# Altium PCB PCB-Tester-Board-V1.PcbDoc (part 5 of 7) (continued)
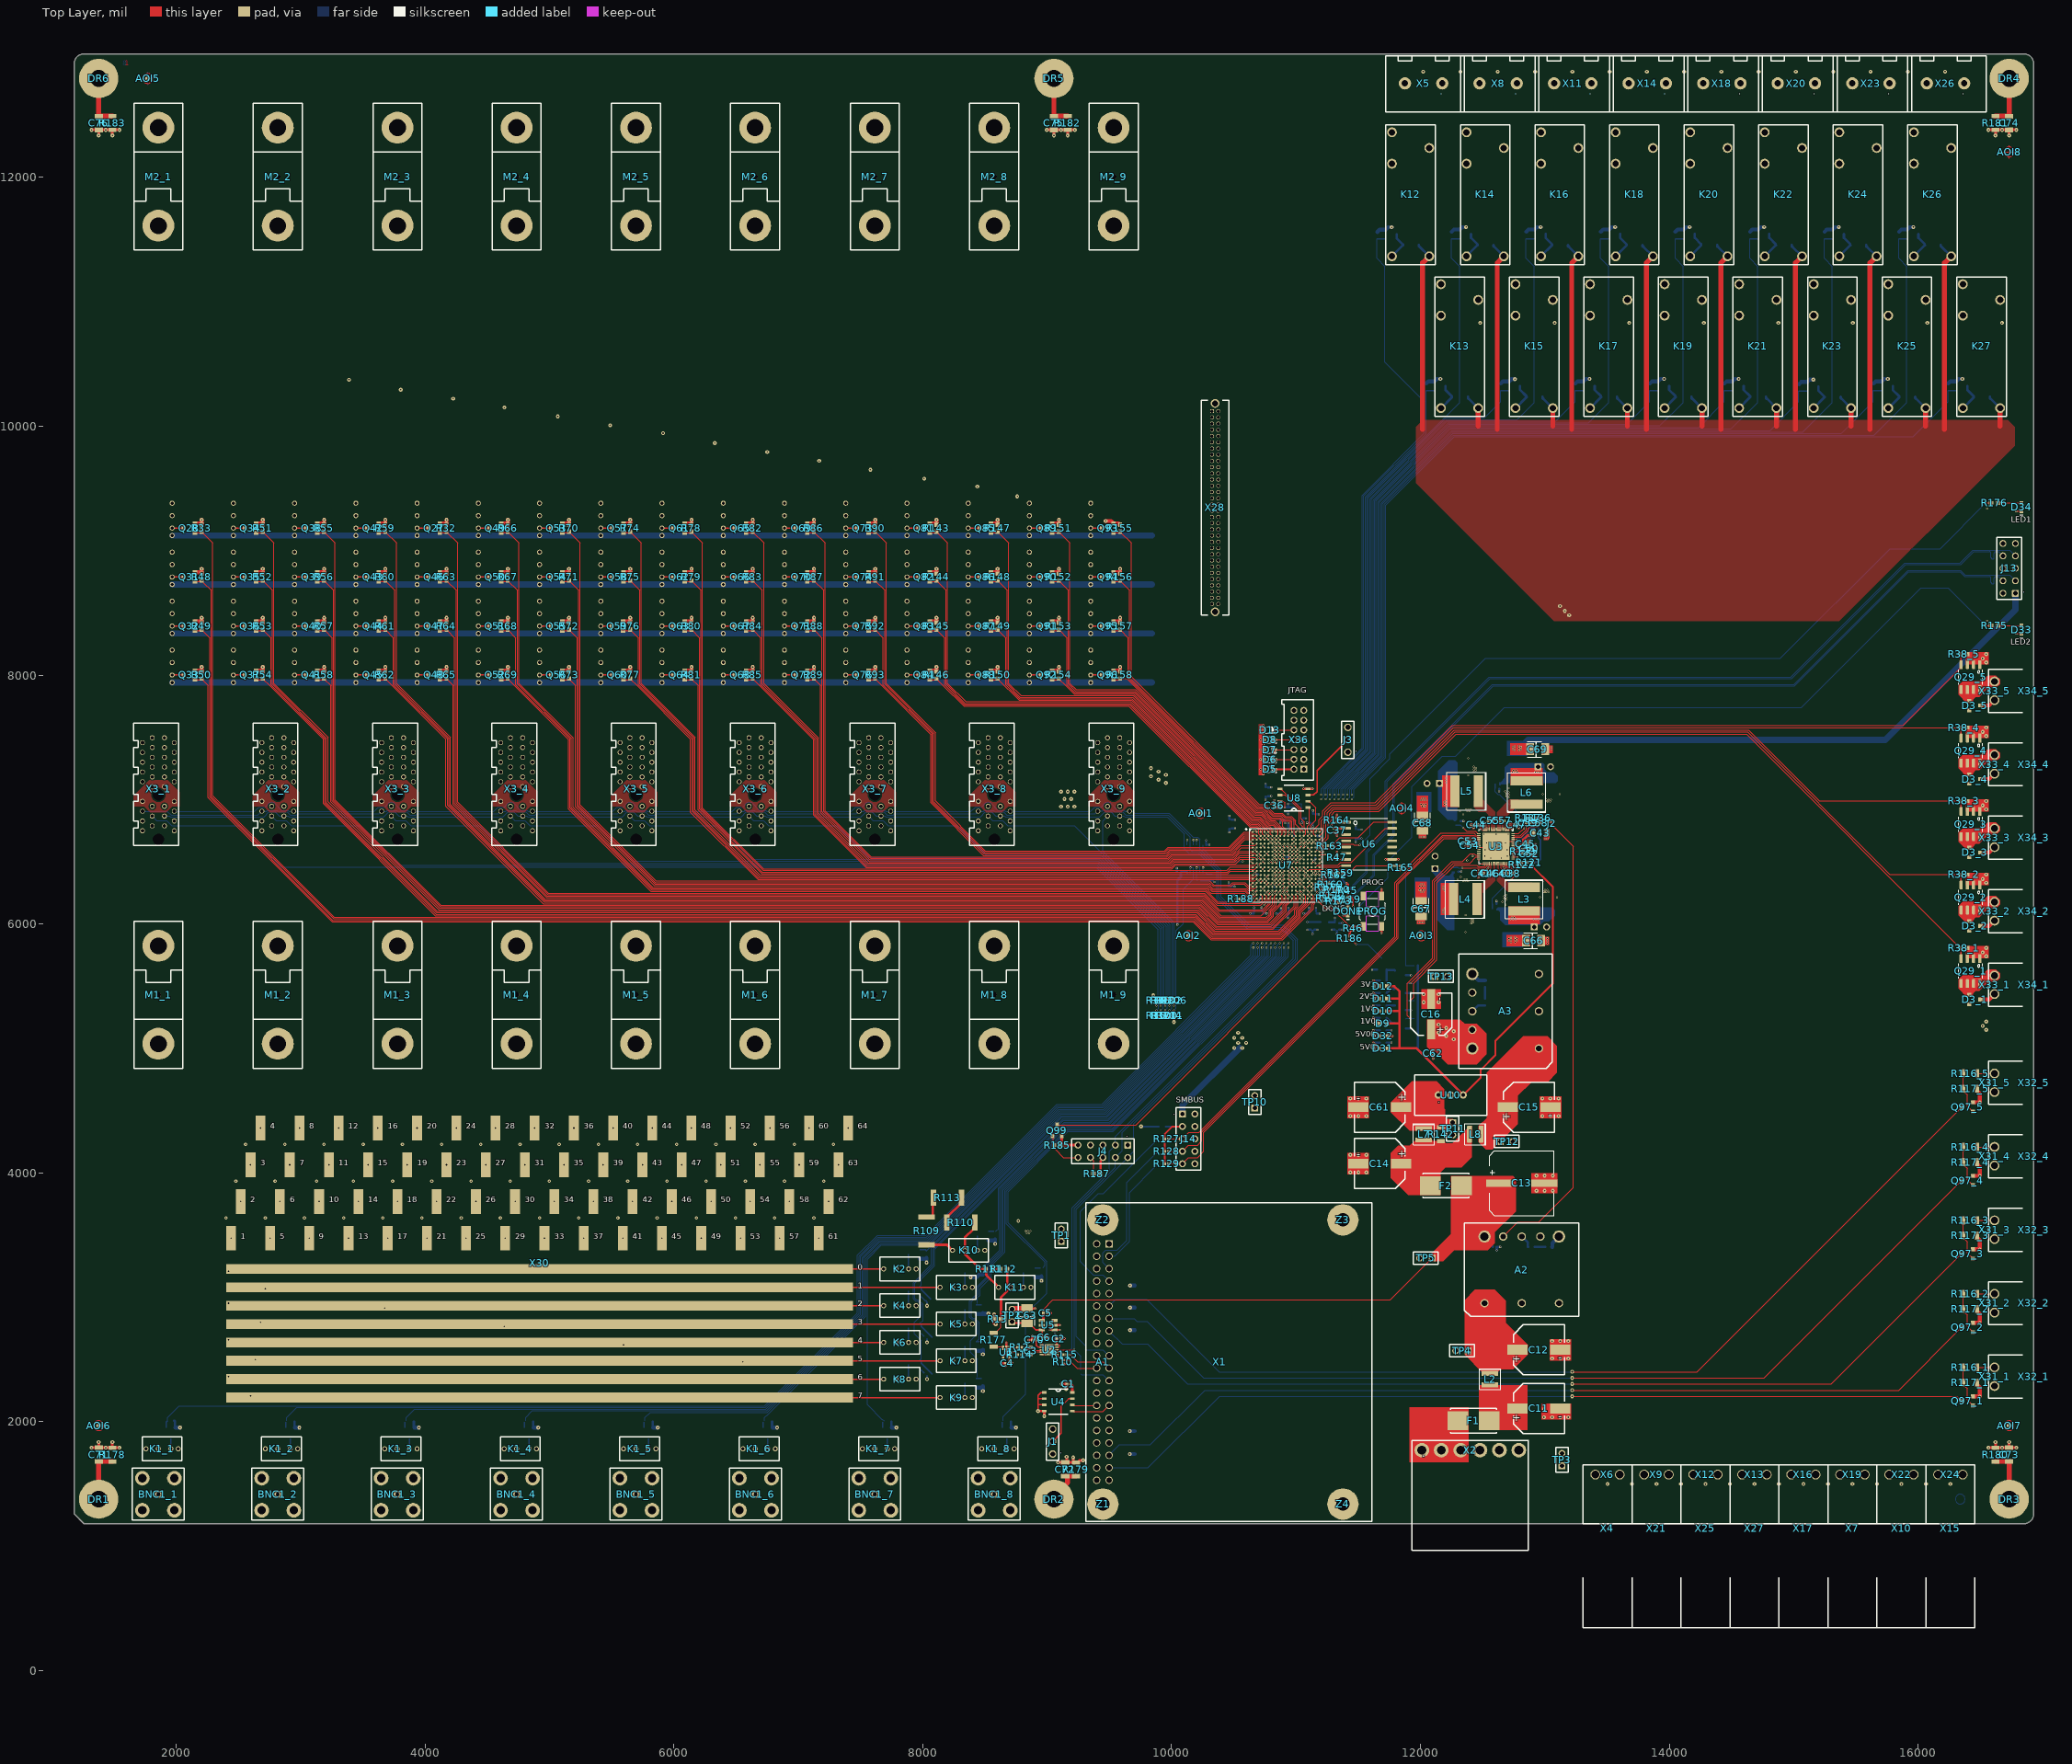
[diagram p0: Top Layer view]
## Nets (pads, with @x,y where several pads share a name; then routed paths per layer and width w, separated by ;. In a path a pad name is that pad's centre, name@x,y a point inside that pad or via, vN(x,y) a via of type N, cw(c..) or ccw(c..) an arc to the next point about the centre after c; other vN are vias at no path point) (continued)
  Bottom Layer w18.5: v1(11612.93,5634.12) Q98.2@11652.23,5634.12 ; R168.1@11727.03,5145.21 v1(11766.33,5145.21) ; R167.1@11727.56,5045.74 v1(11766.86,5045.74) ; Q30.2@11885.83,5162.33 v1(11925.13,5162.33) ; Q78.2@11885.83,5307.35 v1(11925.13,5307.35) ; Q79.2@11885.83,5446.59 v1(11925.13,5446.59) ; Q80.2@11885.83,5588.32 v1(11925.13,5588.32)
  Bottom Layer w20: R1_1.1@1985.33,2007.32 1985.61,2007.32 1991.36,2001.57 1991.36,1956.69 Q77_1.2@1995.18,1952.87 ; Q77_2.2@2950.87,1956.69 R1_2.1@2950.87,2001.57 ; Q77_3.2@3910.51,1956.69 R1_3.1@3910.51,2001.57 ; Q77_4.2@4870.16,1956.69 R1_4.1@4870.16,2001.57 ; Q77_5.2@5829.81,1956.69 R1_5.1@5829.81,2001.57 ; Q77_6.2@6789.45,1956.69 R1_6.1@6789.45,2001.57 ; Q77_7.2@7749.1,1956.69 R1_7.1@7749.1,2001.57 ; Q77_8.2@8708.74,1956.69 R1_8.1@8708.74,2001.57 ; v1(8851.38,2657.48) C64.2@8881.89,2657.48 v1(8881.89,2687.99) ; U9.1@8958.66,2615.16 8961.61,2612.2 v1(8992.13,2612.2) ; v1(9110.24,2696.85) 9116.18,2690.91 9116.18,2667.82 C65.2@9116.68,2667.32 v1(9139.76,2667.32) ; C77.2@10043.31,6421.26 v1(10043.31,6448.82) ; C449.2@11173.23,6708.66 11174.06,6707.83 11189.8,6707.83 v1(11204.72,6692.91) ; v1(12614.17,3377.95) C39.2@12614.17,3405.51 v1(12641.69,3405.51)
  Bottom Layer w31.5: Q77_1.2@1995.18,1952.87 v2(2031.92,1952.87) ; Q77_2.2@2954.82,1952.87 v2(2991.56,1952.87) ; Q77_3.2@3914.47,1952.87 v2(3951.21,1952.87) ; Q77_4.2@4874.11,1952.87 v2(4910.85,1952.87) ; Q77_5.2@5833.76,1952.87 v2(5870.5,1952.87) ; Q77_6.2@6793.41,1952.87 v2(6830.15,1952.87) ; Q77_7.2@7753.05,1952.87 v2(7789.79,1952.87) ; Q1.2@7977.56,3308.27 R2.1@8021.65,3308.27 ; v2(8031.5,3280.38) R2.1@8031.5,3317.13 ; v2(8385.62,3160.63) Q2.2@8430.31,3160.63 ; Q8.2@8430.31,2274.8 8474.41,2274.8 8482.28,2282.68 R9.1@8484.25,2282.68 ; Q6.2@8430.31,2570.08 R7.1@8474.41,2570.08 ; Q4.2@8430.31,2865.35 8505.96,2865.35 ; Q2.2@8431.68,3160.63 8432.28,3160.63 8432.28,3161.23 8455.31,3184.25 8485.62,3184.25 R3.1@8485.62,3186.22 ; v2(8484.25,2246.92) R9.1@8484.25,2282.68 ; R9.1@8484.25,2284.65 R9.1@8484.25,2282.68 ; v2(8484.25,2542.2) R7.1@8484.25,2578.94 ; R5.1@8484.25,2875.2 8490.27,2869.18 v2(8528.79,2869.18) ; Q9.2@8528.74,3457.48 Q9.2@8530.31,3457.48 R14.1@8572.83,3457.48 ; v2(8582.68,3429.6) R14.1@8582.68,3466.34 ; Q77_8.2@8712.7,1952.87 v2(8749.44,1952.87) ; Q10.2@8900.71,3160.63 R15.1@8944.8,3160.63 ; v2(8954.65,3132.75) R15.1@8954.65,3169.49 ; R17.1@11654.77,11562.25 11672.49,11579.97 Q12.2@11719.24,11579.97 ; Q12.2@11721.21,11581.04 11739.66,11599.49 v2(11769.3,11599.49) ; R18.1@12046.97,10343.29 12064.68,10361.01 Q13.2@12111.44,10361.01 ; Q13.2@12113.4,10362.08 12131.85,10380.53 v2(12161.49,10380.53) ; R19.1@12252.48,11563.76 12270.19,11581.48 Q14.2@12316.95,11581.48 12318.92,11581.48 12318.92,11582.55 12337.37,11601 v2(12367,11601) ; A3.4@12417.32,5598.43 12468.5,5547.24 R42.1@12519.68,5547.24 ; R20.1@12646.18,10343.29 12663.9,10361.01 Q15.2@12710.65,10361.01 ; Q15.2@12712.62,10359.94 12731.07,10378.39 v2(12760.7,10378.39) ; R21.1@12851.69,11563.76 12869.41,11581.48 Q16.2@12916.16,11581.48 ; Q16.2@12918.13,11582.55 12936.58,11601 v2(12966.21,11601) ; R40.1@13059.06,3405.51 13061.02,3405.51 13061.02,3435.04 A2.4@13114.17,3488.19 ; R22.1@13245.39,10343.29 13263.11,10361.01 Q17.2@13309.86,10361.01 ; Q17.2@13311.83,10362.08 13330.28,10380.53 v2(13359.91,10380.53) ; R23.1@13450.9,11563.76 13468.62,11581.48 Q18.2@13515.37,11581.48 ; Q18.2@13517.34,11582.55 13535.79,11601 v2(13565.43,11601) ; R24.1@13844.6,10343.29 13862.32,10361.01 Q19.2@13909.07,10361.01 ; Q19.2@13911.04,10362.08 13929.49,10380.53 v2(13959.13,10380.53) ; R25.1@14050.12,11563.76 14067.83,11581.48 Q20.2@14114.59,11581.48 ; Q20.2@14116.55,11582.55 14135,11601 v2(14164.64,11601) ; R26.1@14443.82,10343.29 14461.53,10361.01 Q21.2@14508.29,10361.01 ; Q21.2@14510.25,10362.08 14528.7,10380.53 v2(14558.34,10380.53) ; R27.1@14649.33,11563.76 14667.04,11581.48 Q22.2@14713.8,11581.48 ; Q22.2@14715.77,11582.55 14734.22,11601 v2(14763.85,11601) ; R28.1@15043.03,10338.09 15060.75,10355.8 Q23.2@15107.5,10355.8 ; Q23.2@15109.47,10356.88 15127.92,10375.33 v2(15157.55,10375.33) ; R29.1@15248.54,11563.76 15266.26,11581.48 Q24.2@15313.01,11581.48 ; Q24.2@15314.98,11582.55 15333.43,11601 v2(15363.06,11601) ; R30.1@15642.24,10343.29 15659.96,10361.01 Q25.2@15706.71,10361.01 ; Q25.2@15708.68,10362.08 15727.13,10380.53 v2(15756.76,10380.53) ; R31.1@15847.75,11563.76 15865.47,11581.48 Q26.2@15912.22,11581.48 ; Q26.2@15914.19,11582.55 15932.64,11601 v2(15962.28,11601) ; R16.1@16241.45,10343.29 16259.17,10361.01 Q11.2@16305.92,10361.01 ; Q11.2@16307.89,10362.08 16326.34,10380.53 v2(16355.98,10380.53)
  other v1: 8992.13,2545.28 9039.37,2545.28 9015.75,2578.74 9039.37,2612.2 13021.72,5846.46 13021.72,5865.46 13021.72,5884.46 12364,5936 12408.43,6004.09 11986.7,6011.22 12005.7,6011.22 12024.7,6011.22 12424.43,6014.09 12408.43,6023.09 12424.43,6033.09 12408.43,6042.09 12364.47,6072 12685,6155 12660,6179 11248.03,6185.04 12688.69,6194.96 12672.69,6203.96 12688.69,6213.96 12961.69,6214.43 13097.69,6213.96 12672.69,6222.96 12688.69,6232.96 12992.53,6258.39 13011.53,6258.39 13030.53,6258.39 13001.53,6274.39 13020.53,6274.39 12345,6345 12364,6345 12383,6345 12300,6354 12354,6361 12373,6361 12324,6378 12471,6378 12766,6403 12765,6423 12472,6433 12744.75,6493.11 12784,6504 12376,6511.81 12928.15,6530.46 12565,6530.51 12650,6530.51 12419.54,6546.47 12518.27,6546.47 12698.27,6546.47 12928.15,6562.8 12909.5,6584.6 12519.68,6597.44 12696.85,6597.44 12928.15,6606.39 12928.15,6639.88 12531.54,6650.59 12683.46,6650.59 12860.24,6667.25 12878.94,6667.25 13002,6686 13021,6686 11998,6700 12017,6700 12036,6700 12510,6722 12608.27,6722 12706.54,6722 12427,6776 12791.22,6776 12409,6798 12809.22,6798 12907.48,6814.06 12907.48,6834 12907.48,6853.43 12344,6880 12318.9,6906.31 12377.16,6906.31 12396.16,6906.31 12367.16,6922.31 12386.16,6922.31 12405.16,6922.31 13022.71,6983.08 13041.71,6983.08 13012.71,6999.08 13031.71,6999.08 13050.71,6999.08 12709.83,7018.99 12693.83,7027.99 12709.83,7037.99 13119.17,7043.04 12983.17,7043.51 12693.83,7046.99 12709.83,7056.99 12682,7064.66 12709.83,7092.33 12385.14,7195.65 10736.22,7204.72 12429.57,7225.09 12445.57,7235.09 10716.54,7244.09 12429.57,7244.09 12445.57,7254.09 12429.57,7263.09 10736.22,7283.46 10716.54,7322.83 12385.61,7331.65 10736.22,7362.2 10716.54,7401.57 13052.72,7404.46 13052.72,7423.46 10736.22,7440.94 10716.54,7480.31 10736.22,7519.69 10716.54,7559.06 10736.22,7598.43 16555.12,8437.01 16555.12,9338.58
  other v2: 13504.16,1499.59 13701.01,1499.59 13897.86,1499.59 14094.71,1499.59 14291.56,1499.59 14488.41,1499.59 14685.26,1499.59 14882.11,1499.59 15078.96,1499.59 15275.81,1499.59 15472.66,1499.59 15669.51,1499.59 15866.36,1499.59 16063.21,1499.59 16260.06,1499.59 12994,2036 13059,2036 13124,2036 13189.03,2036 12994,2101 13059,2508.44 13124,2508.44 13189.03,2508.44 13059,2649.04 13124,2649.04 13189.03,2649.04 12933.98,3856.35 12998.98,3856.35 13064.02,3856.35 12933.98,3978.3 12998.98,3978.3 13064.02,3978.3 11436.95,4004.5 11501.98,4004.5 11566.98,4004.5 11436.95,4145.1 11501.98,4145.1 11566.98,4145.1 11436.95,4457.26 11501.98,4457.26 11566.98,4457.26 12980.26,4457.26 13045.26,4457.26 13110.29,4457.26 11436.95,4597.86 11501.98,4597.86 11566.98,4597.86 12980.26,4597.86 13045.26,4597.86 13110.29,4597.86 16547.24,5149.61 16519.69,5181.1 16547.24,5216.54 12026,5370.98 12147.23,5370.98 12026,5435.98 12147.23,5435.98 16547.24,5740.16 16519.69,5771.65 16547.24,5807.09 16547.24,6330.71 16519.69,6362.2 16547.24,6397.64 16547.24,6921.26 16519.69,6952.76 16547.24,6988.19 16547.24,7511.81 16519.69,7543.31 16547.24,7578.74 16547.24,8102.36 16519.69,8133.86 16547.24,8169.29 8760.06,9436.25 8440.54,9515.34 8012.46,9579.13 7579.81,9650.57 7169.23,9722.01 6750.41,9793.46 6329.72,9864.9 5913.61,9944.48 5488.36,10007.78 5067.67,10079.22 4638.51,10150.67 4226.31,10222.11 3805.62,10293.55 3389.98,10373.61 12480.32,10830.71 13079.53,10830.71 13678.74,10830.71 14277.95,10830.71 14877.17,10830.71 15476.38,10830.71 16075.59,10830.71 16674.8,10830.71 12022.76,12849.99 12322.36,12849.99 12621.97,12849.99 12921.58,12849.99 13221.18,12849.99 13520.79,12849.99 13820.4,12849.99 14120,12849.99 14419.61,12849.99 14719.21,12849.99 15018.82,12849.99 15318.43,12849.99 15618.03,12849.99 15917.64,12849.99 16217.25,12849.99
  other v3: 8767.72,3614.17 2401.57,3637.8 2716.54,3637.8 3031.5,3637.8 3346.46,3637.8 3661.42,3637.8 3976.38,3637.8 4291.34,3637.8 4606.3,3637.8 4921.26,3637.8 5236.22,3637.8 5551.18,3637.8 5866.14,3637.8 6181.1,3637.8 6496.06,3637.8 6811.02,3637.8 7125.98,3637.8 2480.31,3933.07 2795.28,3933.07 3129.92,3933.07 3425.2,3933.07 3740.16,3933.07 4055.12,3933.07 4370.08,3933.07 4685.04,3933.07 5000,3933.07 5314.96,3933.07 5629.92,3933.07 5944.88,3933.07 6259.84,3933.07 6574.8,3933.07 6889.76,3933.07 7204.72,3933.07 2559.06,4228.35 2874.02,4228.35 3188.98,4228.35 3503.94,4228.35 3818.9,4228.35 4133.86,4228.35 4448.82,4228.35 4763.78,4228.35 5078.74,4228.35 5393.7,4228.35 5708.66,4228.35 6023.62,4228.35 6338.58,4228.35 6653.54,4228.35 6968.5,4228.35 7283.46,4228.35
HS1_15_N: J13.8 R170.1 R171.2 | length 6995.6
  Top Layer w5.5: R171.2@11266.51,6284.1 11281.48,6284.1 11296.24,6269.34 11321.21,6269.34 R170.1@11330.71,6259.84 11340.21,6269.34 11356.58,6269.34 11361.2,6264.72 v1(11363.97,6264.72)
  Bottom Layer w5.5: 11371.37,6269.34 11429.28,6269.34 11574.25,6414.31 11574.25,6577.33 11731.8,6734.88 11731.8,7144.4 12559.75,7972.35 14983.15,7972.35 15899.48,8888.68 16293.09,8888.68 16343.36,8888.68 16446.3,8991.61 16545.54,8991.61 16573.79,8991.61 cw(c16573.79,8978.86) 16586.54,8978.86 16586.54,8946.15 ccw(c16599.29,8946.15) 16612.04,8946.15 16612.04,8978.86 cw(c16624.79,8978.86) 16624.79,8991.61 16648.94,8991.61 J13.8@16682.28,8958.27
HS1_15_P: J13.7 R169.2 R170.2 | length 6995.6
  Top Layer w5.5: R169.2@11290.66,6307.76 11290.66,6292.59 11301.41,6281.84 11321.21,6281.84 R170.2@11330.71,6291.34 11340.21,6281.84 11356.58,6281.84 11361.2,6286.46 v1(11363.97,6286.46)
  Bottom Layer w5.5: 11371.37,6281.84 11424.11,6281.84 11561.75,6419.49 11561.75,6582.5 11719.3,6740.05 11719.3,7149.58 12554.57,7984.85 14977.98,7984.85 15894.3,8901.18 16293.09,8901.18 16298.27,8901.18 16338.18,8901.18 16441.12,9004.11 16736.44,9004.11 J13.7@16782.28,8958.27
HS2_15_N: J13.4 R173.1 R174.2 | length 6955.5
  Top Layer w5.5: R174.2@11278.85,6193.59 11293.82,6193.59 11308.58,6178.83 11333.55,6178.83 R173.1@11343.05,6169.33 ; R173.1@11352.55,6178.83 11368.92,6178.83 11373.54,6174.2 v1(11376.32,6174.2)
  Bottom Layer w5.5: 11383.71,6178.83 11423.01,6178.83 11633.82,6389.63 11633.82,6552.65 11791.37,6710.2 11791.37,7119.73 12584.43,7912.79 15007.83,7912.79 15924.15,8829.11 16335.61,8829.11 16373.11,8791.61 16545.54,8791.61 16573.79,8791.61 cw(c16573.79,8778.86) 16586.54,8778.86 16586.54,8746.15 ccw(c16599.29,8746.15) 16612.04,8746.15 16612.04,8778.86 cw(c16624.79,8778.86) 16624.79,8791.61 16648.94,8791.61 J13.4@16682.28,8758.27
HS2_15_P: J13.3 R172.2 R173.2 | length 6955.5
  Top Layer w5.5: R172.2@11303.01,6217.25 11303.01,6202.08 11313.76,6191.33 11333.55,6191.33 R173.2@11343.05,6200.83 ; R173.2@11352.55,6191.33 11368.92,6191.33 11373.54,6195.95 v1(11376.32,6195.95)
  Bottom Layer w5.5: 11383.71,6191.33 11417.84,6191.33 11621.32,6394.81 11621.32,6557.83 11778.87,6715.38 11778.87,7124.91 12579.25,7925.29 15002.65,7925.29 15918.97,8841.61 16340.79,8841.61 16378.29,8804.11 16736.44,8804.11 J13.3@16782.28,8758.27
ID_SC_2: U4.6 X1.28 | length 198.1
  Top Layer w6: U4.6@9202.76,2135.83 9208.27,2130.32 X1.28@9398.57,2130.32
ID_SD_2: U4.5 X1.27 | length 318.1
  Top Layer w6: U4.5@9202.76,2085.83 9207.4,2081.19 9449.44,2081.19 X1.27@9498.57,2130.32
In1_2: Q97_5.3 R166_5.1 X1.11 | length 7998.9
  Top Layer w6: v2(13219.91,2401.83) 14222.69,2401.83 16335.68,4514.81 16335.68,4516.78 16348.43,4529.53 Q97_5.3@16350.39,4529.53
  Bottom Layer w6: X1.11@9498.57,2930.32 9553.75,2985.5 9800.98,2985.5 10384.65,2401.83 v2(13219.91,2401.83)
In2_2: Q97_4.3 R166_4.1 X1.13 | length 7706.8
  Top Layer w6: v2(13219.91,2352.55) 14762,2352.55 16335.68,3926.23 16337.65,3926.23 Q97_4.3@16350.39,3938.98
  Bottom Layer w6: X1.13@9498.57,2830.32 9698.84,2830.32 9708.34,2820.82 9722.07,2807.09 9802.23,2807.09 10256.76,2352.55 v2(13219.91,2352.55)
In3_2: Q97_3.3 R166_3.1 X1.15 | length 7461.6
  Top Layer w6: v2(13219.91,2303.28) 15303.28,2303.28 16348.43,3348.43 Q97_3.3@16350.39,3348.43
  Bottom Layer w6: X1.15@9498.57,2730.32 9602.9,2625.98 9806.17,2625.98 10128.87,2303.28 v2(13219.91,2303.28)
In4_2: Q97_2.3 R166_2.1 X1.35 | length 7277.8
  Top Layer w6: v2(13219.91,2254) 15844.55,2254 Q97_2.3@16350.07,2759.51
  Bottom Layer w6: X1.35@9498.57,1730.32 9583.37,1815.11 9736.44,1815.11 9736.75,1815.42 9830.25,1815.42 10268.83,2254 v2(13219.91,2254)
In5_2: Q97_1.3 R166_1.1 X1.37 | length 7105.2
  Top Layer w6: v2(13219.91,2204.72) 16311.03,2204.72 16335.68,2180.07 16348.43,2167.32 Q97_1.3@16350.39,2167.32
  Bottom Layer w6: X1.37@9498.57,1630.32 9812.46,1630.32 10386.87,2204.72 v2(13219.91,2204.72)
LED1_15: R176.2 U7.E17 | length 6887.4
  Top Layer w5: 11173.23,6629.92 11204.72,6629.92
  Top Layer w6: U7.E17@11157.48,6614.17 11173.23,6629.92 ; 11204.72,6629.92 11228.54,6606.1 11303.44,6606.1 11340.75,6643.41 11459.35,6643.41 11467.28,6635.49 v1(11512.05,6635.49)
  Top Layer w8: v1(16544.04,9382.87) R176.2@16586.61,9382.87
  Bottom Layer w6: v1(11512.05,6635.49) 11594.23,6717.67 11594.23,7166.68 11755.91,7328.35 11755.91,7366.14 12523.62,8133.86 14893.7,8133.86 15775.59,9015.75 16176.91,9015.75 v1(16544.04,9382.87)
LED2_15: R175.2 U7.U17 | length 7011.8
  Top Layer w5: 11173.23,6188.98 11173.23,6220.47
  Top Layer w6: U7.U17@11157.48,6236.22 11173.23,6220.47 ; 11173.23,6188.98 v1(11249.1,6113.1)
  Top Layer w8: v1(16544.04,8398.62) R175.2@16586.61,8398.62
  Bottom Layer w6: v1(11249.1,6113.1) 11480.14,6113.1 11740.27,6373.23 11740.27,6506.3 11933.07,6699.1 11933.07,7103.94 12177.62,7348.48 12281.55,7348.48 12673.23,7740.16 15062.99,7740.16 16024.92,8702.09 16240.57,8702.09 v1(16544.04,8398.62)
MISO_1: J4.3 R115.2 R118.1 X1.21 X3_1.A15 X3_2.A15 X3_3.A15 X3_4.A15 X3_5.A15 X3_6.A15 X3_7.A15 X3_8.A15 X3_9.A15 | length 14398.2
  Top Layer w6: R115.2@9159.45,2539.37 v1(9185.04,2539.37) 9244.09,2480.32 9448.57,2480.32 X1.21@9498.57,2430.32
  Bottom Layer w6: X3_1.A15@1906.99,6867.24 1946.31,6867.24 1953.41,6860.14 2706.98,6860.14 2746.24,6899.4 2796.67,6899.4 2828.83,6867.24 X3_2.A15@2866.63,6867.24 2901.67,6867.24 2908.92,6860 3668.94,6860 3708.35,6899.4 3758.78,6899.4 3790.94,6867.24 X3_3.A15@3828.74,6867.24 3858.86,6867.24 3866.1,6860 4626.13,6860 4665.53,6899.4 4715.96,6899.4 4748.12,6867.24 X3_4.A15@4785.93,6867.24 4818.5,6867.24 4825.75,6860 5585.77,6860 5625.18,6899.4 5675.61,6899.4 5707.77,6867.24 X3_5.A15@5745.57,6867.24 5775.69,6867.24 5782.93,6860 6542.96,6860 6582.37,6899.4 6632.79,6899.4 6664.95,6867.24 X3_6.A15@6702.76,6867.24 6737.79,6867.24 6745.04,6860 7505.06,6860 7544.47,6899.4 7594.9,6899.4 7627.06,6867.24 X3_7.A15@7664.86,6867.24 7697.44,6867.24 7704.68,6860 8464.71,6860 8504.12,6899.4 8554.54,6899.4 8586.71,6867.24 X3_8.A15@8624.51,6867.24 8657.1,6867.24 8664.35,6860 9424.37,6860 9463.78,6899.4 9514.21,6899.4 9546.37,6867.24 X3_9.A15@9584.17,6867.24 9616.77,6867.24 9625.15,6858.86 9967.49,6858.86 10101.71,6724.64 10101.71,6605.05 10139.3,6567.46 10219.14,6567.46 10366.3,6420.3 10366.3,6401.57 10366.3,6206.22 10612.85,5959.66 10885.36,5959.66 10980.08,5864.94 10980.08,5723.66 9548.82,4292.4 J4.3@9548.82,4223.23 9500,4174.41 9500,4018.41 9202.17,3720.58 9202.17,2592.52 9185.04,2575.39 v1(9185.04,2539.37)
MOSI_1: J4.2 R107.1 U11.5 X3_1.A14 X3_2.A14 X3_3.A14 X3_4.A14 X3_5.A14 X3_6.A14 X3_7.A14 X3_8.A14 X3_9.A14 | length 14118.5
  Bottom Layer w6: X3_1.A14@1985.73,6906.61 2631.98,6906.61 2665.39,6940.02 2715.83,6940.02 2753.66,6977.86 2785.47,6977.86 2849.56,6913.77 2901.78,6913.77 2908.94,6906.61 X3_2.A14@2945.37,6906.61 3591.63,6906.61 3625.04,6940.02 3675.47,6940.02 3713.31,6977.86 3745.12,6977.86 3809.2,6913.77 3861.42,6913.77 3868.58,6906.61 X3_3.A14@3905.02,6906.61 ; X3_3.A14@3907.48,6906.61 4553.73,6906.61 4587.14,6940.02 4637.58,6940.02 4675.42,6977.86 4707.23,6977.86 4771.31,6913.77 4823.53,6913.77 4830.69,6906.61 X3_4.A14@4864.67,6906.61 5510.92,6906.61 5544.33,6940.02 5594.76,6940.02 5632.6,6977.86 5664.41,6977.86 5728.49,6913.77 5780.71,6913.77 5787.87,6906.61 X3_5.A14@5824.31,6906.61 6470.56,6906.61 6503.97,6940.02 6554.41,6940.02 6592.25,6977.86 6624.06,6977.86 6688.14,6913.77 6740.36,6913.77 6747.52,6906.61 X3_6.A14@6781.5,6906.61 7427.75,6906.61 7461.16,6940.02 7511.59,6940.02 7549.43,6977.86 7581.24,6977.86 7645.33,6913.77 7697.54,6913.77 7704.71,6906.61 X3_7.A14@7741.14,6906.61 ; X3_7.A14@7743.6,6906.61 8389.85,6906.61 8423.26,6940.02 8473.7,6940.02 8511.54,6977.86 8543.35,6977.86 8607.43,6913.77 8659.65,6913.77 8666.81,6906.61 X3_8.A14@8703.25,6906.61 9349.5,6906.61 9382.91,6940.02 9433.35,6940.02 9471.18,6977.86 9502.99,6977.86 9567.08,6913.77 9619.29,6913.77 9626.46,6906.61 X3_9.A14@9662.91,6906.61 9688.39,6906.61 9705.03,6889.97 9980.38,6889.97 10172.18,6698.17 10209.64,6698.17 10228.35,6679.47 U11.5@10228.35,6633.86 10228.35,6602.04 10397.26,6433.13 10397.26,6219.25 10625.74,5990.77 10898.25,5990.77 11011.19,5877.83 11011.19,5710.77 9697.64,4397.22 9697.64,4172.05 J4.2@9648.82,4123.23 9233.28,3707.69 9233.28,2684.04 R107.1@9303.15,2614.17
NetA2_1: A2.1 C12.1 L2.1 TP4.1
NetA2_5: A2.5
NetA2_6: A2.6 R39.2 | length 103.9
  Bottom Layer w20: A2.6@12814.96,3488.19 12863.94,3439.21 12863.94,3407.71 R39.2@12866.14,3405.51
NetA3_1: A3.1 C15.1 L8.1 TP12.1
NetA3_5: A3.5
NetA3_6: A3.6 R41.2 | length 121.9
  Bottom Layer w20: A3.6@12417.32,5299.21 12464.57,5346.46 R41.2@12519.68,5346.46
NetBNC1_1_1: BNC1_1.1 K1_1.3 | length 365
  Inner2 w10: BNC1_1.1@1857.78,1417.32 K1_1.3@1857.78,1782.32
NetBNC1_2_1: BNC1_2.1 K1_2.3 | length 365
  Inner2 w10: BNC1_2.1@2817.42,1417.32 K1_2.3@2817.42,1782.32
NetBNC1_3_1: BNC1_3.1 K1_3.3 | length 365
  Inner2 w10: BNC1_3.1@3777.07,1417.32 K1_3.3@3777.07,1782.32
NetBNC1_4_1: BNC1_4.1 K1_4.3 | length 365
  Inner2 w10: BNC1_4.1@4736.71,1417.32 K1_4.3@4736.71,1782.32
NetBNC1_5_1: BNC1_5.1 K1_5.3 | length 365
  Inner2 w10: BNC1_5.1@5696.36,1417.32 K1_5.3@5696.36,1782.32
NetBNC1_6_1: BNC1_6.1 K1_6.3 | length 365
  Inner2 w10: BNC1_6.1@6656,1417.32 K1_6.3@6656,1782.32
NetBNC1_7_1: BNC1_7.1 K1_7.3 | length 365
  Inner2 w10: BNC1_7.1@7615.65,1417.32 K1_7.3@7615.65,1782.32
NetBNC1_8_1: BNC1_8.1 K1_8.3 | length 365
  Inner2 w10: BNC1_8.1@8575.3,1417.32 K1_8.3@8575.3,1782.32
NetC3_1: C3.1 R12.1 U2.3 | length 176.8
  Top Layer w5: R12.1@8798.6,2596 8798.6,2595.1 8803.6,2590.1 8804.5,2590.1 8808.12,2586.48 8858.14,2586.48 C3.1@8868.11,2596.46 8877.31,2587.26 8893.05,2587.26 8904.93,2575.38 8953.33,2575.38 U2.3@8956.69,2578.74
NetC3_2: C3.2 R114.1 U2.4 | length 180.8
  Top Layer w5: R114.1@8795.28,2539.37 8803.6,2547.7 8803.71,2547.7 8807.58,2551.56 8857.88,2551.56 C3.2@8868.11,2541.34 8877.3,2550.53 8893.01,2550.53 8904.9,2562.42 8953.33,2562.42 U2.4@8956.69,2559.06
NetC11_1: C11.1 F1.2 L2.2
NetC14_1: C14.1 F2.2 L7.2 L8.2 R142.1
NetC24_1: C24.1 C25.1 C26.1 C42.1 J5.1 J6.1 L3.2 R94.2 TP6.1
  other v1: 12726.16,6037.47 12745.16,6037.47 12764.16,6037.47 12909.02,6037.47 12928.02,6037.47 12947.02,6037.47 12736.16,6053.47 12755.16,6053.47
NetC27_1: C27.1 C28.1 C29.1 C48.1 J7.1 J8.1 L4.2 R96.2 TP7.1
  other v1: 12197.35,6086.68 12181.35,6095.68 12197.35,6105.68 12181.35,6114.68 12197.35,6124.68 12197.35,6269.54 12181.35,6278.54 12197.35,6288.54 12181.35,6297.54 12197.35,6307.54
NetC30_1: C30.1 C31.1 C32.1 C56.1 J9.1 J10.1 L5.2 R130.2 TP8.1
  other v1: 12208.65,6952.62 12192.65,6961.62 12208.65,6971.62 12192.65,6980.62 12208.65,6990.62 12208.65,7135.48 12208.65,7154.48 12208.65,7173.48
NetC33_1: C33.1 C34.1 C35.1 C60.1 J11.1 J12.1 L6.2 R135.2 TP9.1
  other v1: 12740.14,7220 12759.14,7220 12778.14,7220 12923,7220 12942,7220 12961,7220 12749.14,7236 12768.14,7236
NetC40_1: C40.1 U3.38 | length 89.3
  Top Layer w8.66: U3.38@12647.64,6486.22 12647.64,6446.36 12668.52,6425.48 12668.52,6412.19 C40.1@12673.23,6407.48
NetC40_2: C40.2 L3.1 U3.36
NetC46_1: C46.1 U3.33 | length 89.3
  Top Layer w8.66: C46.1@12543.31,6407.48 12548.11,6412.28 12548.11,6425.38 12568.9,6446.17 U3.33@12568.9,6486.22
NetC46_2: C46.2 L4.1 U3.34
NetC51_1: C51.1 C52.1 R123.1 U3.47 | length 167.8
  Top Layer w8.66: U3.47@12746.06,6584.65 12787.27,6584.65 v1(12800.61,6571.25) 12822.4,6571.3 R123.1@12824.8,6568.9 12828.74,6564.96 C52.1@12858.27,6564.96
  Bottom Layer w18: v1(12800.61,6571.25) 12809.01,6562.85 12822.98,6562.85 12832.68,6553.15 C51.1@12832.68,6545.28
NetC54_1: C54.1 U3.21 | length 55.2
  Top Layer w8.66: C54.1@12415.25,6631.89 U3.21@12470.47,6631.89
NetC55_1: C55.1 U3.11 | length 73
  Top Layer w8.66: C55.1@12543.31,6830.71 12546.26,6827.76 12546.26,6811.96 12553.15,6805.07 U3.11@12553.15,6761.81
NetC55_2: C55.2 L5.1 U3.8
NetC57_1: C57.1 U3.4 | length 73
  Top Layer w8.66: U3.4@12663.39,6761.81 12663.39,6805.42 12669.93,6811.96 12669.93,6827.41 C57.1@12673.23,6830.71
NetC57_2: C57.2 L6.1 U3.5
NetC58_1: C58.1 R136.2 U3.54 | length 323.6
  Top Layer w6: U3.54@12746.06,6694.88 12747.39,6696.21 12760.34,6696.21 ; 12760.36,6696.23 12812.97,6696.23 12867,6750.27 12867,6769.59 12881.18,6783.77 12944.22,6783.77 12958.13,6797.69 12958.13,6808.38 C58.1@12963.75,6814 R136.2@12963.75,6853
NetC59_1: C59.1 R137.2 U3.55 | length 221.2
  Top Layer w6: U3.55@12746.06,6710.63 12806.1,6710.63 12851.38,6755.91 12851.38,6813.87 C59.1@12851.25,6814 R137.2@12851.25,6853
NetC61_1: C61.1 L7.1 R142.2 TP11.1 U10.1
NetC71_2: C71.2 DR1.1 R178.1 | length 413.4
  Top Layer w40: DR1.1@1377.95,1377.95 C71.2@1377.95,1681.1 R178.1@1488.19,1681.1
NetC72_2: C72.2 DR2.1 R179.1 | length 324.8
  Top Layer w40: DR2.1@9055.12,1377.95 9055.12,1401.57 9164.53,1510.99 9164.53,1544.13 C72.2@9145.67,1562.99 R179.1@9232.28,1562.99
NetC73_2: C73.2 DR3.1 R180.1 | length 413.4
  Top Layer w40: R180.1@16622.05,1681.1 C73.2@16732.28,1681.1 DR3.1@16732.28,1377.95
NetC74_2: C74.2 DR4.1 R181.1 | length 413.4
  Top Layer w40: R181.1@16622.05,12492.13 C74.2@16732.28,12492.13 DR4.1@16732.28,12795.28
NetC75_2: C75.2 DR5.1 R182.1 | length 413.4
  Top Layer w40: DR5.1@9055.12,12795.28 C75.2@9055.12,12492.13 R182.1@9165.35,12492.13
NetC76_2: C76.2 DR6.1 R183.1 | length 413.4
  Top Layer w40: DR6.1@1377.95,12795.28 C76.2@1377.95,12492.13 R183.1@1488.19,12492.13
NetD3_1_1: D3_1.1 Q29_1.3 X33_1.2
NetD3_2_1: D3_2.1 Q29_2.3 X33_2.2
NetD3_3_1: D3_3.1 Q29_3.3 X33_3.2
NetD3_4_1: D3_4.1 Q29_4.3 X33_4.2
NetD3_5_1: D3_5.1 Q29_5.3 X33_5.2
NetD9_2: D9.2 R99.2 | length 114.2
  Top Layer w18.5: v1(11622.05,5245.47) D9.2@11667.52,5200
  Bottom Layer w18.5: v1(11622.05,5245.47) R99.2@11671.91,5245.47
NetD10_2: D10.2 R101.2 | length 114.2
  Top Layer w18.5: v1(11622.05,5345.47) D10.2@11667.52,5300
  Bottom Layer w18.5: v1(11622.05,5345.47) R101.2@11671.91,5345.47
NetD11_2: D11.2 R103.2 | length 114.2
  Top Layer w18.5: v1(11622.05,5445.47) D11.2@11667.52,5400
  Bottom Layer w18.5: v1(11622.05,5445.47) R103.2@11671.91,5445.47
NetD12_2: D12.2 R105.2 | length 114.2
  Top Layer w18.5: v1(11622.05,5545.47) D12.2@11667.52,5500
  Bottom Layer w18.5: v1(11622.05,5545.47) R105.2@11671.91,5545.47
NetD14_1: D14.1 K12.5 Q12.3 | length 234.4
  Bottom Layer w20: K12.5@11771.65,11366.14 D14.1@11860.7,11455.18 11860.7,11461.19 11809.79,11512.09 Q12.3@11809.79,11542.57
NetD15_1: D15.1 K13.5 Q13.3 | length 228.4
  Bottom Layer w20: K13.5@12165.35,10145.67 D15.1@12254.4,10234.71 ; Q13.3@12201.99,10323.6 12201.99,10293.13 D15.1@12252.89,10242.22
NetD16_1: D16.1 K14.5 Q14.3 | length 228.4
  Bottom Layer w20: K14.5@12370.87,11366.14 D16.1@12459.91,11455.18 ; Q14.3@12407.5,11544.08 12407.5,11513.6 D16.1@12458.4,11462.7
NetD17_1: D17.1 K15.5 Q15.3 | length 228.4
  Bottom Layer w20: K15.5@12764.57,10145.67 D17.1@12853.61,10234.71 ; Q15.3@12801.2,10323.6 12801.2,10293.13 D17.1@12852.1,10242.22
NetD18_1: D18.1 K16.5 Q16.3 | length 228.4
  Bottom Layer w20: K16.5@12970.08,11366.14 D18.1@13059.12,11455.18 ; Q16.3@13006.71,11544.08 13006.71,11513.6 D18.1@13057.61,11462.7
NetD19_1: D19.1 K17.5 Q17.3 | length 228.4
  Bottom Layer w20: K17.5@13363.78,10145.67 D19.1@13452.82,10234.71 ; Q17.3@13400.41,10323.6 13400.41,10293.13 D19.1@13451.32,10242.22
NetD20_1: D20.1 K18.5 Q18.3 | length 228.4
  Bottom Layer w20: K18.5@13569.29,11366.14 D20.1@13658.33,11455.18 ; Q18.3@13605.92,11544.08 13605.92,11513.6 D20.1@13656.83,11462.7
NetD21_1: D21.1 K19.5 Q19.3 | length 228.4
  Bottom Layer w20: K19.5@13962.99,10145.67 D21.1@14052.04,10234.71 ; Q19.3@13999.62,10323.6 13999.62,10293.13 D21.1@14050.53,10242.22
NetD22_1: D22.1 K20.5 Q20.3 | length 228.4
  Bottom Layer w20: K20.5@14168.5,11366.14 D22.1@14257.55,11455.18 ; Q20.3@14205.14,11544.08 14205.14,11513.6 D22.1@14256.04,11462.7
NetD23_1: D23.1 K21.5 Q21.3 | length 228.4
  Bottom Layer w20: K21.5@14562.2,10145.67 D23.1@14651.25,10234.71 ; Q21.3@14598.84,10323.6 14598.84,10293.13 D23.1@14649.74,10242.22
NetD24_1: D24.1 K22.5 Q22.3 | length 228.4
  Bottom Layer w20: K22.5@14767.72,11366.14 D24.1@14856.76,11455.18 ; Q22.3@14804.35,11544.08 14804.35,11513.6 D24.1@14855.25,11462.7
NetD25_1: D25.1 K23.5 Q23.3 | length 228.4
  Bottom Layer w20: K23.5@15161.42,10145.67 D25.1@15250.46,10234.71 ; Q23.3@15198.05,10318.4 15198.05,10287.93 D25.1@15248.95,10237.02
NetD26_1: D26.1 K24.5 Q24.3 | length 228.4
  Bottom Layer w20: K24.5@15366.93,11366.14 D26.1@15455.97,11455.18 ; Q24.3@15403.56,11544.08 15403.56,11513.6 D26.1@15454.46,11462.7
NetD27_1: D27.1 K25.5 Q25.3 | length 228.4
  Bottom Layer w20: K25.5@15760.63,10145.67 D27.1@15849.67,10234.71 ; Q25.3@15797.26,10323.6 15797.26,10293.13 D27.1@15848.17,10242.22
NetD28_1: D28.1 K26.5 Q26.3 | length 228.4
  Bottom Layer w20: K26.5@15966.14,11366.14 D28.1@16055.18,11455.18 ; Q26.3@16002.77,11544.08 16002.77,11513.6 D28.1@16053.68,11462.7
NetD29_1: D29.1 K27.5 Q11.3 | length 228.4
  Bottom Layer w20: K27.5@16359.84,10145.67 D29.1@16448.89,10234.71 ; Q11.3@16396.47,10323.6 16396.47,10293.13 D29.1@16447.38,10242.22
NetD31_2: D31.2 R167.2 | length 114.9
  Top Layer w18.5: v1(11622.05,5045.47) D31.2@11667.52,5000
  Bottom Layer w18.5: v1(11622.05,5045.47) 11671.91,5045.47 R167.2@11672.44,5046
NetD32_2: D32.2 R168.2 | length 114.2
  Top Layer w18.5: v1(11622.05,5145.47) D32.2@11667.52,5100
  Bottom Layer w18.5: v1(11622.05,5145.47) R168.2@11671.91,5145.47
NetD33_1: D33.1 R175.1 | length 189
  Top Layer w8: R175.1@16641.73,8398.62 D33.1@16830.71,8398.62
NetD34_1: D34.1 R176.1 | length 189
  Top Layer w8: R176.1@16641.73,9382.87 D34.1@16830.71,9382.87
NetDONE_1: DONE.1 R119.2 | length 50.2
  Top Layer w10: DONE.1@11417.32,6134.84 R119.2@11417.32,6185.04
NetJ1_2: J1.2 U4.7 | length 427.1
  Top Layer w12: J1.2@9045.28,1840.55 9112.86,1908.14 9112.86,2124.33 9172.83,2184.3 9201.23,2184.3 U4.7@9202.76,2185.83
NetJ3_2: J3.2 U8.3 | length 602.9
  Top Layer w10: U8.3@11097.25,7036.81 11143.11,7036.81 11171.07,7064.77 11171.07,7234.06 J3.2@11417.32,7480.31